# Allegro board SG2042_EVB_V1_1.brd (continued)
## Placement (name value [footprint] x y rotation side) (continued)
C1469  2.2uF 6.3V  [C0402_BGA]  136.47 92.15 90 bottom
C1471  100nF_25V  [C0402_BGA]  122.96 88.65 180 bottom
C1472  2.2uF 6.3V  [C0402_BGA]  122.96 87.65 180 bottom
C1473  2.2uF 6.3V  [C0402_BGA]  119.47 86.15 90 bottom
C1474  100nF_25V  [C0402_BGA]  120.97 88.65 180 bottom
C1475  2.2uF 6.3V  [C0402_BGA]  120.97 87.65 180 bottom
C1476  2.2uF 6.3V  [C0402_BGA]  119.47 88.15 270 bottom
C1477  100nF_25V  [C0402_BGA]  123.47 100.15 90 bottom
C1478  2.2uF 6.3V  [C0402_BGA]  123.47 98.15 90 bottom
C1479  100nF_25V  [C0402_BGA]  123.47 96.15 90 bottom
C1480  100nF_25V  [C0402_BGA]  123.47 94.15 90 bottom
C1481  100nF_25V  [C0402_BGA]  123.47 92.15 90 bottom
C1482  100nF_25V  [C0402_BGA]  123.47 90.15 90 bottom
C1483  100nF_25V  [C0402_BGA]  152.47 100.15 90 bottom
C1484  100nF_25V  [C0402_BGA]  152.47 98.15 90 bottom
C1485  100nF_25V  [C0402_BGA]  152.47 96.15 90 bottom
C1486  100nF_25V  [C0402_BGA]  152.47 94.15 90 bottom
C1487  100nF_25V  [C0402_BGA]  152.47 92.15 90 bottom
C1488  100nF_25V  [C0402_BGA]  137.47 92.15 90 bottom
C1491  1nF 50V  [C0402]  226.49 213.92 0 top
C1492  1uF_16V  [C0402]  229.21 210.97 270 bottom
C1493  1uF_16V  [C0402]  228.35 210.97 270 bottom
C1494  100nF_25V NC  [C0402]  235.36 206.35 90 top
C1496  10nF 50V  [C0402]  229.9 213.92 0 top
C1497  10nF 50V  [C0402]  231.6 213.92 0 top
C1498  100nF_25V NC  [C0402]  235.03 213.89 0 top
C1499  1uF_16V  [C0402]  217.65 73.76 180 top
C1500  10uF_25V  [C0603]  216.18 77.93 90 top
C1501  10uF_25V  [C0603]  218.44 78.38 180 bottom
C1502  10uF_25V  [C0603]  221.08 78.38 0 bottom
C1503  10uF_25V  [C0603]  216.18 75.23 270 top
C1504  4.7uF_6.3V  [C0402]  224.1 77.88 90 bottom
C1505  1uF_16V  [C0402]  224.1 77.88 90 top
C1506  1uF_16V  [C0402]  224.1 76.17 270 top
C1507  470uF_2.5V  [C7343]  217.73 89.61 270 bottom
C1508  470uF_2.5V  [C7343]  222.76 89.61 270 bottom
C1509  47uF_6.3V  [C0603]  222.63 96.01 0 top
C1510  47uF_6.3V  [C0603]  222.63 94.79 0 top
C1511  47uF_6.3V  [C0603]  217.86 94.79 180 top
C1512  1nF_50V NC  [C0402]  217.58 80.64 270 bottom
C1513  220nF_25V  [C0402]  219.81 73.38 270 top
C1514  1uF_16V_NC  [C0402]  224.1 74.47 270 top
C1515  100nF_25V NC  [C0402]  222.81 73.76 0 top
C1516  1uF_16V  [C0402]  53.11 74.37 180 top
C1517  10uF_25V  [C0603]  51.64 75.84 270 top
C1518  10uF_25V  [C0603]  51.64 78.54 90 top
C1519  10uF_25V  [C0603]  53.9 78.99 180 bottom
C1520  10uF_25V  [C0603]  56.54 78.99 0 bottom
C1521  4.7uF_6.3V  [C0402]  59.56 78.49 90 bottom
C1522  1uF_16V  [C0402]  59.56 78.49 90 top
C1523  1uF_16V  [C0402]  59.56 76.78 270 top
C1524  470uF_2.5V  [C7343]  53.19 90.22 270 bottom
C1525  470uF_2.5V  [C7343]  58.22 90.22 270 bottom
C1526  47uF_6.3V  [C0603]  58.09 95.4 0 top
C1527  47uF_6.3V  [C0603]  53.31 95.4 180 top
C1528  47uF_6.3V  [C0603]  53.31 96.62 180 top
C1529  1nF_50V NC  [C0402]  53.04 81.25 270 bottom
C1530  220nF_25V  [C0402]  55.27 73.99 270 top
C1531  1uF_16V_NC  [C0402]  59.56 75.08 270 top
C1532  100nF_25V NC  [C0402]  58.27 74.37 0 top
C1533  100nF_25V  [C0402]  56.49 118.41 90 top
C1534  1nF 50V  [C0402]  52.81 111.79 180 top
C1535  10uF/6.3V  [C0402]  56.21 110.92 0 top
C1536  10uF/6.3V  [C0402]  56.21 110.06 0 top
C1537  10uF/6.3V  [C0402]  56.21 109.19 0 top
C1538  10uF/6.3V  [C0402]  54.51 111.79 0 top
C1540  100nF_25V  [C0402]  51.38 105.89 0 top
C1541  100nF_25V  [C0402]  50.95 107.19 270 top
C1542  100nF_25V  [C0402]  59.77 60.3 270 top
C1543  22uF_25V  [C0805]  56.29 71.53 180 top
C1544  22uF_25V  [C0805]  56.29 69.77 180 top
C1545  22uF_25V  [C0805]  56.29 68.02 180 top
C1546  100nF_25V  [C0402]  56.46 66.6 180 top
C1547  220pF 50V  [C0402]  62.33 64.41 90 top
C1548  47uF_6.3V  [C0603]  56.11 45.8 180 top
C1549  47uF_6.3V  [C0603]  56.11 44.58 180 top
C1550  47uF_6.3V  [C0603]  56.11 43.36 180 top
C1551  47uF_6.3V  [C0603]  56.11 42.14 180 top
C1552  47uF_6.3V  [C0603]  56.11 40.92 180 top
C1554  220nF_25V  [C0402]  60.6 63.58 90 top
C1555  100nF_25V  [C0402]  52.5 46.18 0 top
C1556  100nF_25V  [C0402]  51.87 50.93 0 top
C1557  100nF_25V  [C0402]  138.79 30 180 top
C1558  22uF_25V  [C0805]  149.22 33.48 90 top
C1559  22uF_25V  [C0805]  147.47 33.48 90 top
C1560  22uF_25V  [C0805]  145.62 33.48 90 top
C1561  100nF_25V  [C0402]  139.04 31.62 270 top
C1562  220pF 50V  [C0402]  142.9 27.43 0 top
C1563  47uF_6.3V  [C0603]  139.19 37.26 270 top
C1564  47uF_6.3V  [C0603]  140.51 37.26 270 top
C1565  47uF_6.3V  [C0603]  141.83 37.26 270 top
C1566  47uF_6.3V  [C0603]  143.15 37.26 270 top
C1567  47uF_6.3V  [C0603]  144.48 37.26 270 top
C1569  220nF_25V  [C0402]  142.06 29.16 0 top
C1570  100nF_25V  [C0402]  226.8 92.2 180 bottom
C1571  100nF_25V  [C0402]  229.36 94.21 0 bottom
C1572  100nF_25V  [C0402]  224.23 100.74 270 top
C1573  100nF_25V  [C0402]  219.76 101.8 270 top
C1574  100nF_25V  [C0402]  49.78 94.51 270 bottom
C1575  100nF_25V  [C0402]  45.03 94.89 270 bottom
C1576  100nF_25V  [C0402]  52.91 101.14 270 top
C1577  100nF_25V  [C0402]  54.76 104.5 270 top
C1578  470uF_2.5V  [C7343]  132.49 175.01 180 top
C1579  470uF_2.5V  [C7343]  143.46 175.01 0 top
C1580  10uF/6.3V  [C0402_BGA]  125.47 120.15 90 bottom
C1581  10uF/6.3V  [C0402_BGA]  127.47 120.15 90 bottom
C1582  10uF/6.3V  [C0402_BGA]  129.47 120.15 90 bottom
C1583  10uF/6.3V  [C0402_BGA]  131.47 120.15 90 bottom
C1584  10uF/6.3V  [C0402_BGA]  133.47 120.15 90 bottom
C1585  10uF/6.3V  [C0402_BGA]  135.45 120.15 90 bottom
C1586  10uF/6.3V  [C0402_BGA]  137.42 120.15 90 bottom
C1587  10uF/6.3V  [C0402_BGA]  139.5 120.15 90 bottom
C1588  10uF/6.3V  [C0402_BGA]  141.47 120.15 90 bottom
C1589  10uF/6.3V  [C0402_BGA]  143.47 120.15 90 bottom
C1590  10uF/6.3V  [C0402_BGA]  145.47 120.15 90 bottom
C1591  10uF/6.3V  [C0402_BGA]  147.47 120.15 90 bottom
C1592  10uF/6.3V  [C0402_BGA]  149.47 120.15 90 bottom
C1593  10uF/6.3V  [C0402_BGA]  125.47 116.15 90 bottom
C1597  10uF/6.3V  [C0402_BGA]  125.47 100.15 90 bottom
C1598  10uF/6.3V  [C0402_BGA]  125.47 96.15 90 bottom
C1599  10uF/6.3V  [C0402_BGA]  125.47 92.15 90 bottom
C1600  10uF/6.3V  [C0402_BGA]  127.47 92.15 90 bottom
C1601  10uF/6.3V  [C0402_BGA]  129.47 92.15 90 bottom
C1602  10uF/6.3V  [C0402_BGA]  150.47 118.15 270 bottom
C1603  10uF/6.3V  [C0402_BGA]  150.97 101.65 180 bottom
C1604  10uF/6.3V  [C0402_BGA]  150.47 98.15 270 bottom
C1605  10uF/6.3V  [C0402_BGA]  150.47 94.15 270 bottom
C1606  10uF/6.3V  [C0402_BGA]  148.97 92.65 0 bottom
C1610  10uF/6.3V  [C0402_BGA]  137.42 116.15 90 bottom
C1611  10uF/6.3V  [C0402_BGA]  138.52 116.15 270 bottom
C1612  4.7uF_6.3V  [C0402_BGA]  126.47 120.15 270 bottom
C1613  4.7uF_6.3V  [C0402_BGA]  128.47 120.15 270 bottom
C1614  4.7uF_6.3V  [C0402_BGA]  130.47 120.15 270 bottom
C1615  4.7uF_6.3V  [C0402_BGA]  132.47 120.15 270 bottom
C1616  4.7uF_6.3V  [C0402_BGA]  134.47 120.15 270 bottom
C1617  4.7uF_6.3V  [C0402_BGA]  136.45 120.15 270 bottom
C1618  4.7uF_6.3V  [C0402_BGA]  138.52 120.15 270 bottom
C1619  4.7uF_6.3V  [C0402_BGA]  140.5 120.15 270 bottom
C1620  4.7uF_6.3V  [C0402_BGA]  142.47 120.15 270 bottom
C1621  4.7uF_6.3V  [C0402_BGA]  144.47 120.15 270 bottom
C1622  4.7uF_6.3V  [C0402_BGA]  146.47 120.15 270 bottom
C1623  4.7uF_6.3V  [C0402_BGA]  148.47 120.15 270 bottom
C1624  4.7uF_6.3V  [C0402_BGA]  150.47 120.15 270 bottom
C1625  4.7uF_6.3V  [C0402_BGA]  125.47 118.15 90 bottom
C1626  4.7uF_6.3V  [C0402_BGA]  124.97 114.65 0 bottom
C1630  4.7uF_6.3V  [C0402_BGA]  125.47 98.15 90 bottom
C1631  4.7uF_6.3V  [C0402_BGA]  125.47 94.15 90 bottom
C1632  4.7uF_6.3V  [C0402_BGA]  126.47 92.15 270 bottom
C1633  4.7uF_6.3V  [C0402_BGA]  128.47 92.15 270 bottom
C1634  4.7uF_6.3V  [C0402_BGA]  150.47 116.15 270 bottom
C1638  4.7uF_6.3V  [C0402_BGA]  150.47 100.15 270 bottom
C1639  4.7uF_6.3V  [C0402_BGA]  150.47 96.15 270 bottom
C1640  4.7uF_6.3V  [C0402_BGA]  150.47 92.15 270 bottom
C1641  4.7uF_6.3V  [C0402_BGA]  146.97 92.65 0 bottom
C1642  4.7uF_6.3V  [C0402_BGA]  148.97 91.65 180 bottom
C1668  100nF_25V  [C0402]  271.73 234.01 270 bottom
C1669  4.7uF_6.3V  [C0402]  270.87 234.01 270 bottom
C1670  1uF_16V  [C0402]  270.13 235.94 90 top
C1671  100nF_25V  [C0402]  270.99 235.94 90 top
C1672  1uF_16V  [C0402]  268.4 231.75 180 top
C1673  1uF_16V  [C0402]  99.34 222.66 90 bottom
C1674  22uF_25V  [C0805]  103.86 222 270 bottom
C1675  100nF_25V  [C0402]  102.44 221.21 270 bottom
C1676  12pF 50V  [C0402]  102.72 224.87 180 bottom
C1677  47uF_6.3V  [C0603]  102.54 218.67 270 bottom
C1678  47uF_6.3V  [C0603]  103.86 218.67 270 bottom
C1699  10uF/6.3V  [C0402_BGA]  137.42 114.15 90 bottom
C1700  10uF/6.3V  [C0402_BGA]  138.52 114.15 270 bottom
C1701  10uF/6.3V  [C0402_BGA]  137.42 112.15 90 bottom
C1702  10uF/6.3V  [C0402_BGA]  138.52 112.15 270 bottom
C1703  10uF/6.3V  [C0402_BGA]  137.42 110.15 90 bottom
C1704  10uF/6.3V  [C0402_BGA]  138.52 110.15 270 bottom
C1705  10uF/6.3V  [C0402_BGA]  137.42 108.15 90 bottom
C1706  10uF/6.3V  [C0402_BGA]  138.52 108.15 270 bottom
C1707  10uF/6.3V  [C0402_BGA]  127.65 106.15 90 bottom
C1708  10uF/6.3V  [C0402_BGA]  128.63 106.15 270 bottom
C1709  10uF/6.3V  [C0402_BGA]  129.6 106.15 90 bottom
C1710  10uF/6.3V  [C0402_BGA]  130.57 106.15 270 bottom
C1711  10uF/6.3V  [C0402_BGA]  131.55 106.15 90 bottom
C1712  10uF/6.3V  [C0402_BGA]  132.52 106.15 270 bottom
C1713  10uF/6.3V  [C0402_BGA]  133.5 106.15 90 bottom
C1714  10uF/6.3V  [C0402_BGA]  134.47 106.15 270 bottom
C1715  10uF/6.3V  [C0402_BGA]  135.45 106.15 90 bottom
C1716  10uF/6.3V  [C0402_BGA]  136.45 106.15 270 bottom
C1717  10uF/6.3V  [C0402_BGA]  138.52 106.15 270 bottom
C1718  10uF/6.3V  [C0402_BGA]  139.5 106.15 90 bottom
C1719  10uF/6.3V  [C0402_BGA]  140.5 106.15 270 bottom
C1720  10uF/6.3V  [C0402_BGA]  141.47 106.15 90 bottom
C1721  10uF/6.3V  [C0402_BGA]  142.45 106.15 270 bottom
C1722  10uF/6.3V  [C0402_BGA]  143.42 106.15 90 bottom
C1723  10uF/6.3V  [C0402_BGA]  144.4 106.15 270 bottom
C1724  10uF/6.3V  [C0402_BGA]  145.37 106.15 90 bottom
C1725  10uF/6.3V  [C0402_BGA]  146.35 106.15 270 bottom
C1726  10uF/6.3V  [C0402_BGA]  147.32 106.15 90 bottom
C1727  10uF/6.3V  [C0402_BGA]  148.3 106.15 270 bottom
C1728  10uF/6.3V  [C0402_BGA]  137.42 104.15 90 bottom
C1729  10uF/6.3V  [C0402_BGA]  138.52 104.15 270 bottom
C1730  10uF/6.3V  [C0402_BGA]  137.42 102.15 90 bottom
C1731  10uF/6.3V  [C0402_BGA]  138.52 102.15 270 bottom
C1732  10uF/6.3V  [C0402_BGA]  137.42 100.15 90 bottom
C1733  10uF/6.3V  [C0402_BGA]  138.52 100.15 270 bottom
C1734  10uF/6.3V  [C0402_BGA]  137.42 98.15 90 bottom
C1735  10uF/6.3V  [C0402_BGA]  138.52 98.15 270 bottom
C1736  10uF/6.3V  [C0402_BGA]  137.42 96.15 90 bottom
C1737  10uF_6.3V  [C0402]  250.44 42.24 90 top
C1738  100nF_25V  [C0402]  249.58 42.24 90 top
C1743  100nF_25V  [C0402]  29.77 106.4 270 top
C1744  100nF_25V  [C0402]  17.09 108.89 180 top
C1745  22uF_10V  [C0603]  31.55 108.18 0 top
C1746  22uF_10V  [C0603]  31.55 106.96 0 top
C1805  10uF_25V  [C0603]  247.22 35.59 90 top
C2000  12pF_50V  [C0402]  273.1 219.99 180 top
C2001  12pF_50V  [C0402]  274.83 219.99 0 top
C2010  100nF_25V  [C0402]  279.45 218.59 0 top
C3119  100nF_25V  [C0402]  246.18 35.38 270 top
C3121  100uF 16V  [C7343]  252.93 28.17 0 top
C3143  100nF_25V  [C0402]  149.17 157.76 0 top
C3144  100nF_25V  [C0402]  223.52 189.31 180 top
C3145  100nF_25V  [C0402]  269.47 151.33 180 top
C3146  100nF_25V  [C0402]  269.47 143.51 180 top
C3147  1uF_16V  [C0402]  55.17 61.24 270 top
C3148  1uF_16V  [C0402]  214.93 61.34 270 top
C3149  47uF_6.3V  [C0603]  52.96 119.18 180 top
C3150  100nF_25V  [C0402]  56.31 39.78 180 top
C3151  100nF_25V  [C0402]  53.47 118.03 180 top
C3152  100nF_25V  [C0402]  220.8 115.77 180 top
C3153  47uF_6.3V  [C0603]  220.29 116.92 180 top
C3154  47uF_6.3V  [C0603]  221.67 107.72 270 top
C3155  47uF_6.3V  [C0603]  54.33 109.98 270 top
C3156  100nF_25V  [C0402]  111.51 167.67 270 top
C3157  100nF_25V  [C0402]  110.64 169.54 90 top
C3159  1uF_16V  [C0402]  139.73 34.59 180 top
C3160  1uF_16V  [C0402]  144.32 225.35 90 top
C3161  22uF_25V  [C0805]  139.8 224.69 270 top
C3162  100nF_25V  [C0402]  141.22 223.9 270 top
C3163  12pF 50V  [C0402]  140.46 227.56 0 top
C3164  47uF_6.3V  [C0603]  141.12 221.36 270 top
C3165  47uF_6.3V  [C0603]  139.8 221.36 270 top
C3166  100nF_25V  [C0402]  260.63 234.01 270 bottom
C3167  4.7uF_6.3V  [C0402]  259.77 234.01 270 bottom
C3168  1uF_16V  [C0402]  259.03 235.94 90 top
C3169  100nF_25V  [C0402]  259.89 235.94 90 top
C3170  1uF_16V  [C0402]  257.3 231.75 180 top
C3174  4.7uF_6.3V  [C0402]  22.71 192.56 180 top
C3175  100nF_25V  [C0402]  22.71 193.42 180 top
C3230  330uF_30V  [CAP-SMD100-H126]  87.02 219.1 90 top
C3231  100nF_25V  [C0402]  74.07 226.92 180 top
C3232  100nF_25V  [C0402]  74.24 222.66 270 top
C3234  100nF_25V  [C0402]  115.44 217.75 180 top
C3247  100uF 16V  [C7343]  230.4 33.55 180 top
C3248  100uF 16V  [C7343]  252.93 33.78 0 top
C3252  4.7uF_6.3V  [C0402]  253.21 201.17 180 bottom
C3253  100nF_25V  [C0402]  253.7 182.52 0 bottom
C3254  100nF_25V  [C0402]  264.69 182.52 0 bottom
C3255  100nF_25V  [C0402]  268.27 197.59 90 bottom
C3256  100nF_25V  [C0402]  253.21 199.92 180 bottom
C3257  100nF_25V  [C0402]  251.28 195.35 180 bottom
C3258  100nF_25V  [C0402]  250.88 193.09 270 bottom
C3259  100nF_25V  [C0402]  253.7 183.77 0 bottom
C3260  100nF_25V  [C0402]  264.69 183.77 0 bottom
C3261  100nF_25V  [C0402]  267.03 197.59 90 bottom
C3262  100nF_25V  [C0402]  251.28 187.6 180 bottom
C3263  100uF 16V  [C7343]  166.17 15.34 90 top
C3264  100nF_25V  [C0402]  169.75 13.67 90 top
C3265  100nF_25V  [C0402]  174.02 13.67 90 top
C3266  100nF_25V  [C0402]  6.5 198.93 0 top
C3267  100nF_25V  [C0402]  6.5 214.76 0 top
C3272  10uF/6.3V  [C0402]  251.28 190.47 180 bottom
C3273  4.7uF_6.3V  [C0402]  226.92 126.85 0 top
C3274  100nF_25V  [C0402]  226.92 144.65 0 top
C3276  100nF_25V  [C0402]  250.27 129.41 180 top
C3277  100nF_25V  [C0402]  286.31 224.13 0 top
C3278  100nF_25V  [C0402]  286.31 208.89 0 top
C3279  100nF_25V  [C0402]  286.26 157.23 0 top
C3280  100nF_25V  [C0402]  285.45 175.49 0 top
C3281  100nF_25V  [C0402]  286.26 141.99 0 top
C3282  100nF_25V  [C0402]  20.47 157.07 180 bottom
C3283  100nF_25V  [C0402]  290.42 224.13 180 top
C3284  100nF_25V  [C0402]  290.42 208.89 180 top
C3285  100nF_25V  [C0402]  290.37 157.23 180 top
C3286  100nF_25V  [C0402]  289.56 175.49 180 top
C3287  100nF_25V  [C0402]  290.37 141.99 180 top
C3289  100nF_25V  [C0402]  205.99 222.43 0 top
C3290  100nF_25V  [C0402]  201.88 222.43 180 top
C3291  100nF_25V  [C0402]  20.47 153.37 180 bottom
C3294  100nF_25V  [C0402]  275.03 42.39 90 top
C3295  100nF_25V  [C0402]  287.2 39.9 0 top
C3296  22uF_10V  [C0603]  273.25 40.61 180 top
C3297  22uF_10V  [C0603]  273.25 41.83 180 top
C3298  100nF_25V  [C0402]  234.39 42.39 90 top
C3299  100nF_25V  [C0402]  246.56 39.9 0 top
C3300  22uF_10V  [C0603]  232.61 40.61 180 top
C3301  22uF_10V  [C0603]  232.61 41.83 180 top
C3302  10uF_6.3V  [C0402]  14.71 109.75 180 top
C3303  100nF_25V  [C0402]  14.71 108.89 180 top
C3304  100uF 16V  [C7343]  36.63 120.65 0 top
C3305  100uF 16V  [C7343]  36.63 115.04 0 top
C3306  100uF 16V  [C7343]  15.47 117.96 90 top
C3307  10uF_25V  [C0603]  30.91 113.23 270 top
C3308  100nF_25V  [C0402]  29.77 113.44 90 top
C3309  10uF_6.3V  [C0402]  291.08 42.24 90 top
C3310  100nF_25V  [C0402]  290.22 42.24 90 top
C3311  100uF 16V  [C7343]  293.57 33.78 0 top
C3312  100uF 16V  [C7343]  293.55 28.17 0 top
C3313  100uF 16V  [C7343]  271.04 33.55 180 top
C3314  10uF_25V  [C0603]  287.86 35.59 90 top
C3315  100nF_25V  [C0402]  286.82 35.38 270 top
C3316  100nF_25V  [C0402]  288.62 194.49 180 top
C3317  220pF 50V  [C0402]  288.19 195.78 270 top
C3318  470uF_2.5V  [C7343]  134.19 35.31 270 bottom
C3319  470uF_2.5V  [C7343]  225.22 103.1 180 bottom
C3320  470uF_2.5V  [C7343]  50.62 103.71 0 bottom
C3321  100nF_25V  [C0402]  238.81 196.98 180 top
C3322  100nF_25V  [C0402]  238.81 189.31 180 top
C3323  1uF_16V  [C0402]  211.61 165.68 270 top
C3324  1uF_16V  [C0402]  211.61 163.65 270 top
C3325  1uF_16V  [C0402]  64.34 165.68 270 top
C3326  1uF_16V  [C0402]  64.34 163.68 270 top
C3327  100nF_25V  [C0402]  132.61 46.08 0 top
C3328  100nF_25V  [C0402]  134.34 48.06 270 bottom
C3329  100nF_25V  [C0402]  129.9 42.52 180 bottom
C3330  100nF_25V  [C0402]  151.64 40.89 270 bottom
C3331  100nF_25V  [C0402]  138.02 42.34 0 top
C3332  100nF_25V  [C0402]  152.6 39.62 0 bottom
C3333  100nF_25V  [C0402]  159.13 33.27 180 top
C3334  100nF_25V  [C0402]  115.87 219.94 90 top
C3335  100nF_25V  [C0402]  252.96 186.08 270 bottom
D1  ESD5311Z_NC  [DFN2-0606-003]  49.73 227.18 0 top
D2  ESD5311Z_NC  [DFN2-0606-003]  50.85 227.18 0 top
D3  ESD5311Z_NC  [DFN2-0606-003]  51.97 227.18 0 top
D4  ESD5311Z_NC  [DFN2-0606-003]  45.39 227.18 0 top
D5  ESD5311Z_NC  [DFN2-0606-003]  44.27 227.18 0 top
D6  ESD5311Z_NC  [DFN2-0606-003]  53.09 227.18 0 top
D7  ESD5311Z_NC  [DFN2-0606-003]  46.51 227.18 0 top
D8  ESD5311Z_NC  [DFN2-0606-003]  229.72 230.53 180 top
D9  ESD5311Z_NC  [DFN2-0606-003]  225.65 230.53 180 top
D10  ESD5311Z_NC  [DFN2-0606-003]  235.81 230.53 180 top
D11  ESD5311Z_NC  [DFN2-0606-003]  227.69 230.53 180 top
D12  ESD5311Z_NC  [DFN2-0606-003]  223.62 230.53 180 top
D13  ESD5311Z_NC  [DFN2-0606-003]  233.78 230.53 180 top
D14  ESD5311Z_NC  [DFN2-0606-003]  185.57 230.53 180 top
D15  ESD5311Z_NC  [DFN2-0606-003]  195.73 230.53 180 top
D16  ESD5311Z_NC  [DFN2-0606-003]  189.64 230.53 180 top
D17  ESD5311Z_NC  [DFN2-0606-003]  191.67 230.53 180 top
D18  ESD5311Z_NC  [DFN2-0606-003]  187.6 230.53 180 top
D19  ESD5311Z_NC  [DFN2-0606-003]  197.76 230.53 180 top
D20  ESD5311Z_NC  [DFN2-0606-003]  147.5 230.53 180 top
D21  ESD5311Z_NC  [DFN2-0606-003]  157.66 230.53 180 top
D22  ESD5311Z_NC  [DFN2-0606-003]  151.56 230.53 180 top
D23  ESD5311Z_NC  [DFN2-0606-003]  153.59 230.53 180 top
D24  ESD5311Z_NC  [DFN2-0606-003]  149.53 230.53 180 top
D25  ESD5311Z_NC  [DFN2-0606-003]  159.69 230.53 180 top
D42  ESD5311Z_NC  [DFN2-0606-003]  286.94 237.85 180 top
D43  ESD5311Z_NC  [DFN2-0606-003]  285.83 237.85 0 top
D44  ESD5311Z_NC  [DFN2-0606-003]  284.71 237.85 180 top
D520  LED_GREEN  [LED0603]  9.68 148.95 270 top
D521  ESD5311Z_NC  [DFN2-0606-003]  275.84 237.85 180 top
D522  ESD5311Z_NC  [DFN2-0606-003]  274.73 237.85 0 top
D523  ESD5311Z_NC  [DFN2-0606-003]  273.61 237.85 180 top
D528  ESD5311Z_NC  [DFN2-0606-003]  264.74 237.85 180 top
D529  ESD5311Z_NC  [DFN2-0606-003]  263.63 237.85 0 top
D530  ESD5311Z_NC  [DFN2-0606-003]  262.51 237.85 180 top
D532  B0540W  [SOD-123-13]  161.95 13.23 90 top
F400  7A/TIME-LAG  [R1206]  30.51 122.78 270 top
F408  7A/TIME-LAG  [R1206]  176.81 12.67 180 top
F409  7A/TIME-LAG  [R1206]  287.43 26.06 90 top
F410  7A/TIME-LAG  [R1206]  246.81 26.06 90 top
FB1  600R/2A  [FB0603]  209.02 208.41 270 bottom
FB2  600R/2A  [FB0603]  45.52 223.04 180 top
FB3  600R/2A  [FB0603]  22.89 190.73 270 top
FB4  600R/2A  [FB0603]  20.78 200.36 0 top
FB5  100R/200mA  [FB0402]  151.47 109.15 270 bottom
FB6  100R/200mA  [FB0402]  124.47 109.15 270 bottom
FB7  100R/200mA  [FB0402]  151.47 107.15 270 bottom
FB8  100R_3A  [FB0805]  288.09 235.61 90 top
FB9  100R/200mA  [FB0402]  124.47 107.15 270 bottom
FB10  100R/200mA  [FB0402]  142.09 49.99 90 top
FB11  100R/200mA  [FB0402]  144.09 49.99 90 top
FB12  600R/2A  [FB0603]  136.53 24.43 0 bottom
FB13  100R/200mA  [FB0402]  151.47 105.15 90 bottom
FB14  100R/200mA  [FB0402]  151.47 103.15 270 bottom
FB15  100R/200mA  [FB0402]  151.47 113.15 90 bottom
FB16  100R/200mA  [FB0402]  151.47 111.15 270 bottom
FB17  100R/200mA  [FB0402]  124.47 105.15 90 bottom
FB18  100R/200mA  [FB0402]  124.47 103.15 270 bottom
FB19  100R/200mA  [FB0402]  124.47 113.15 90 bottom
FB20  100R/200mA  [FB0402]  124.47 111.15 270 bottom
FB1106  100R_3A  [FB0805]  276.99 235.61 90 top
FB1110  100R_3A  [FB0805]  31.57 109.75 180 top
FB1111  100R_3A  [FB0805]  16.31 107.4 180 top
FB2001  100R_3A  [FB0805]  265.89 235.61 90 top
FB2014  600R/2A  [FB0603]  251.76 188.8 180 bottom
FB2015  600R/2A  [FB0603]  252.04 202.36 180 bottom
FB2016  100R_3A  [FB0805]  171.88 12.88 180 top
FB2017  600R/2A  [FB0603]  20.83 154.56 0 bottom
FB2018  600R/2A_NC  [FB0603]  20.83 155.88 0 bottom
FB2019  100R_3A  [FB0805]  274.62 38.3 90 top
FB2020  100R_3A  [FB0805]  287.99 41.45 0 top
FB2021  100R_3A  [FB0805]  233.98 38.3 90 top
FB2022  100R_3A  [FB0805]  247.35 41.45 0 top
H1  HOLE  [HOLE138-315]  7 236.84 0 top
H2  HOLE  [HOLE138-315]  129.54 236.84 0 top
H3  HOLE  [HOLE138-315]  297.8 236.84 0 top
H4  HOLE  [HOLE138-315]  7 121.92 0 top
H5  HOLE  [HOLE138-315]  297.8 121.92 0 top
H6  HOLE  [HOLE138-315]  7 7 0 top
H7  HOLE  [HOLE138-315]  73.2 9.92 0 top
H8  HOLE  [HOLE138-315]  202 9.92 0 top
H9  HOLE  [HOLE138-315]  297.8 7 0 top
H10  HOLE  [HOLE138-315]  73.2 191.92 0 top
H11  HOLE  [HOLE138-315]  202 191.92 0 top
H12  HOLE  [HOLE118-315]  88.4 197.82 0 top
H13  HOLE  [HOLE118-315]  188.4 197.82 0 top
H14  HOLE  [HOLE138-256]  91.47 152.65 0 top
H15  HOLE  [HOLE138-256]  137.97 152.65 0 top
H16  HOLE  [HOLE138-256]  184.47 152.65 0 top
H17  HOLE  [HOLE138-256]  91.47 106.15 0 top
H18  HOLE  [HOLE138-256]  184.47 106.15 0 top
H19  HOLE  [HOLE138-256]  91.47 59.65 0 top
H20  HOLE  [HOLE138-256]  137.97 59.65 0 top
H21  HOLE  [HOLE138-256]  184.47 59.65 0 top
ID1  ID  [ID-BOARD]  13.46 13.11 0 top
ID2  ID  [ID-BOARD]  288.59 8.23 0 top
ID3  ID  [ID-BOARD]  293.07 230.25 0 top
ID4  ID  [ID-BOARD]  293.07 230.25 180 bottom
ID5  ID  [ID-BOARD]  13.46 13.11 180 bottom
ID6  ID  [ID-BOARD]  288.59 8.23 180 bottom
J1  DDR4-288P-DIMM  [CON-THD288-1420X65-H213-DDR4DIMM]  207.06 106.15 270 top
J2  DDR4-288P-DIMM  [CON-THD288-1420X65-H213-DDR4DIMM]  197.66 106.15 270 top
J3  DDR4-288P-DIMM  [CON-THD288-1420X65-H213-DDR4DIMM]  68.88 106.15 270 top
J4  DDR4-288P-DIMM  [CON-THD288-1420X65-H213-DDR4DIMM]  78.28 106.15 270 top
J7  HEADER 12X2  [DIP2X12-2_54]  275.64 145.62 270 top
J8  -  [J-TF-510]  47.27 236.52 180 top
J9  RJ45  [RJ45-NT]  24.51 238.35 180 top
J10  JTAG 2X10_2.54mm  [CON-THD20-10X2-JTAG]  231.19 236.27 0 top
J11  JTAG 2X10_2.54mm  [CON-THD20-10X2-JTAG]  193.14 236.27 0 top
J12  JTAG 2X10_2.54mm  [CON-THD20-10X2-JTAG]  155.07 236.27 0 top
J13  HEADER 12X2  [DIP2X12-2_54]  299.36 145.62 90 top
J14  HEADER 12X2  [DIP2X12-2_54]  299.36 179.02 270 top
J17  HEADER 12X2  [DIP2X12-2_54]  5.51 146.23 90 top
J22  USB2.0 Micro B  [USB-MICROB-SHR-H2_8]  286.23 239.7 180 top
J201  HEADER_4P_TH/S/M  [HEADER-THD4-254-1X4]  48.51 203.07 270 top
J1103  USB2.0 Micro B  [USB-MICROB-SHR-H2_8]  275.13 239.7 180 top
J1104  PCIE_X16_SLOT 0  [CON-SMD164-910X75-PCIEX16]  23.88 74.4 90 top
J2005  HEADER_6P_TH/S/M  [HEADER-THD6-254-1X6]  276.91 192.99 270 top
J2006  USB2.0 Micro B  [USB-MICROB-SHR-H2_8]  264.03 239.7 180 top
J2007  HEADER 12X2  [DIP2X12-2_54]  299.42 212.52 270 top
J2008  3 Header  [CON-THD3-58X76-H116-FAN]  174.83 6.05 0 top
J2014  HEADER_4P_TH/S/M  [HEADER-THD4-254-1X4]  223.42 202.56 90 top
J2016  W39040_NC  [CON-THD32-190X420-LPC_ADAPTER]  238.51 145.82 180 top
J2017  HF0804E  [CON-THD4-58X102-H116-FAN]  160.68 6.05 0 top
J2018  PCIE_X16_SLOT 0  [CON-SMD164-910X75-PCIEX16]  280.92 74.4 270 top
J2019  PCIE_X16_SLOT 0  [CON-SMD164-910X75-PCIEX16]  240.28 74.4 270 top
J2020  HEADER 12X2  [DIP2X12-2_54]  5.51 179.63 270 top
J2021  2 Header  [A2542WV-02P]  186.44 6.05 180 top
K1  KEY  [SW4-0606]  8.36 205.33 270 top
K2  KEY  [SW4-0606]  8.36 221.16 270 top
L1  2.2uH_2.5A  [PL3030-12]  147.02 34.65 90 bottom
L4  2.2uH_2.5A  [PL3030-12]  85.85 219.07 270 bottom
L5  2.2uH_2.5A  [PL3030-12]  155.55 31.72 90 bottom
L7  2.2uH_2.5A  [PL3030-12]  155.55 31.72 90 top
L8  150nH  [PL78X102-H73]  178.21 186.56 270 top
L9  150nH  [PL78X102-H73]  168.15 186.56 270 top
L10  150nH  [PL78X102-H73]  158.09 186.56 270 top
L11  150nH  [PL78X102-H73]  148.03 186.56 270 top
L12  150nH  [PL78X102-H73]  137.97 186.56 270 top
L13  150nH  [PL78X102-H73]  127.91 186.56 270 top
L14  150nH  [PL78X102-H73]  97.74 186.56 270 top
L15  150nH  [PL78X102-H73]  125.63 28.78 90 top
L16  150nH  [PL78X102-H73]  117.86 186.56 270 top
L17  150nH  [PL78X102-H73]  107.8 186.56 270 top
L18  330nH_30A/20A  [PL7368-28]  216.87 55.02 270 top
L19  150nH  [PL78X102-H73]  220.24 88.21 90 top
L20  150nH  [PL78X102-H73]  55.7 88.82 90 top
L21  330nH_30A/20A  [PL7368-28]  57.1 54.91 270 top
L22  330nH_30A/20A  [PL7368-28]  134.19 35.31 90 top
L23  2.2uH_2.5A  [PL3030-12]  99.97 219.07 270 bottom
L26  2.2uH_2.5A  [PL3030-12]  143.69 221.77 270 top
LED1  LED_Green  [LED0603]  251.18 237.67 270 top
LED500  LED_Green  [LED0603]  253.59 237.67 270 top
NOREF  -  []  58.42 28.05 0 top
NOREF#2  -  []  1.09 243.15 0 top
NOREF#3  -  []  34.87 27.44 0 top
NOREF#4  -  [unnamed#2]  97.97 66.15 0 top
NOREF#5  -  [unnamed#2]  180.97 63.15 0 top
NOREF#6  -  []  0 3 0 top
NOREF#7  -  [unnamed#2]  177.97 146.15 0 top
NOREF#8  -  [unnamed#2]  94.97 63.15 45 top
NOREF#9  -  [unnamed#2]  180.97 149.15 0 top
NOREF#10  -  []  3 0 90 top
NOREF#11  -  [unnamed#3]  308.29 232.84 0 top
NOREF#12  -  []  -6.35 242.99 0 top
NOREF#13  -  []  46.23 28.17 0 top
NOREF#14  -  []  -7 2.54 0 top
